# Altium PCB Controller_PVC_v2.PcbDoc (part 1 of 2)
Units mm, origin at the board's own origin, x right, y up, seen from the top; angles counter-clockwise.
Board outline 130.23 x 131.55 mm, 2 copper layers (Top Layer, Bottom Layer); 183 components, 145 nets, 692 pads, 107 vias.
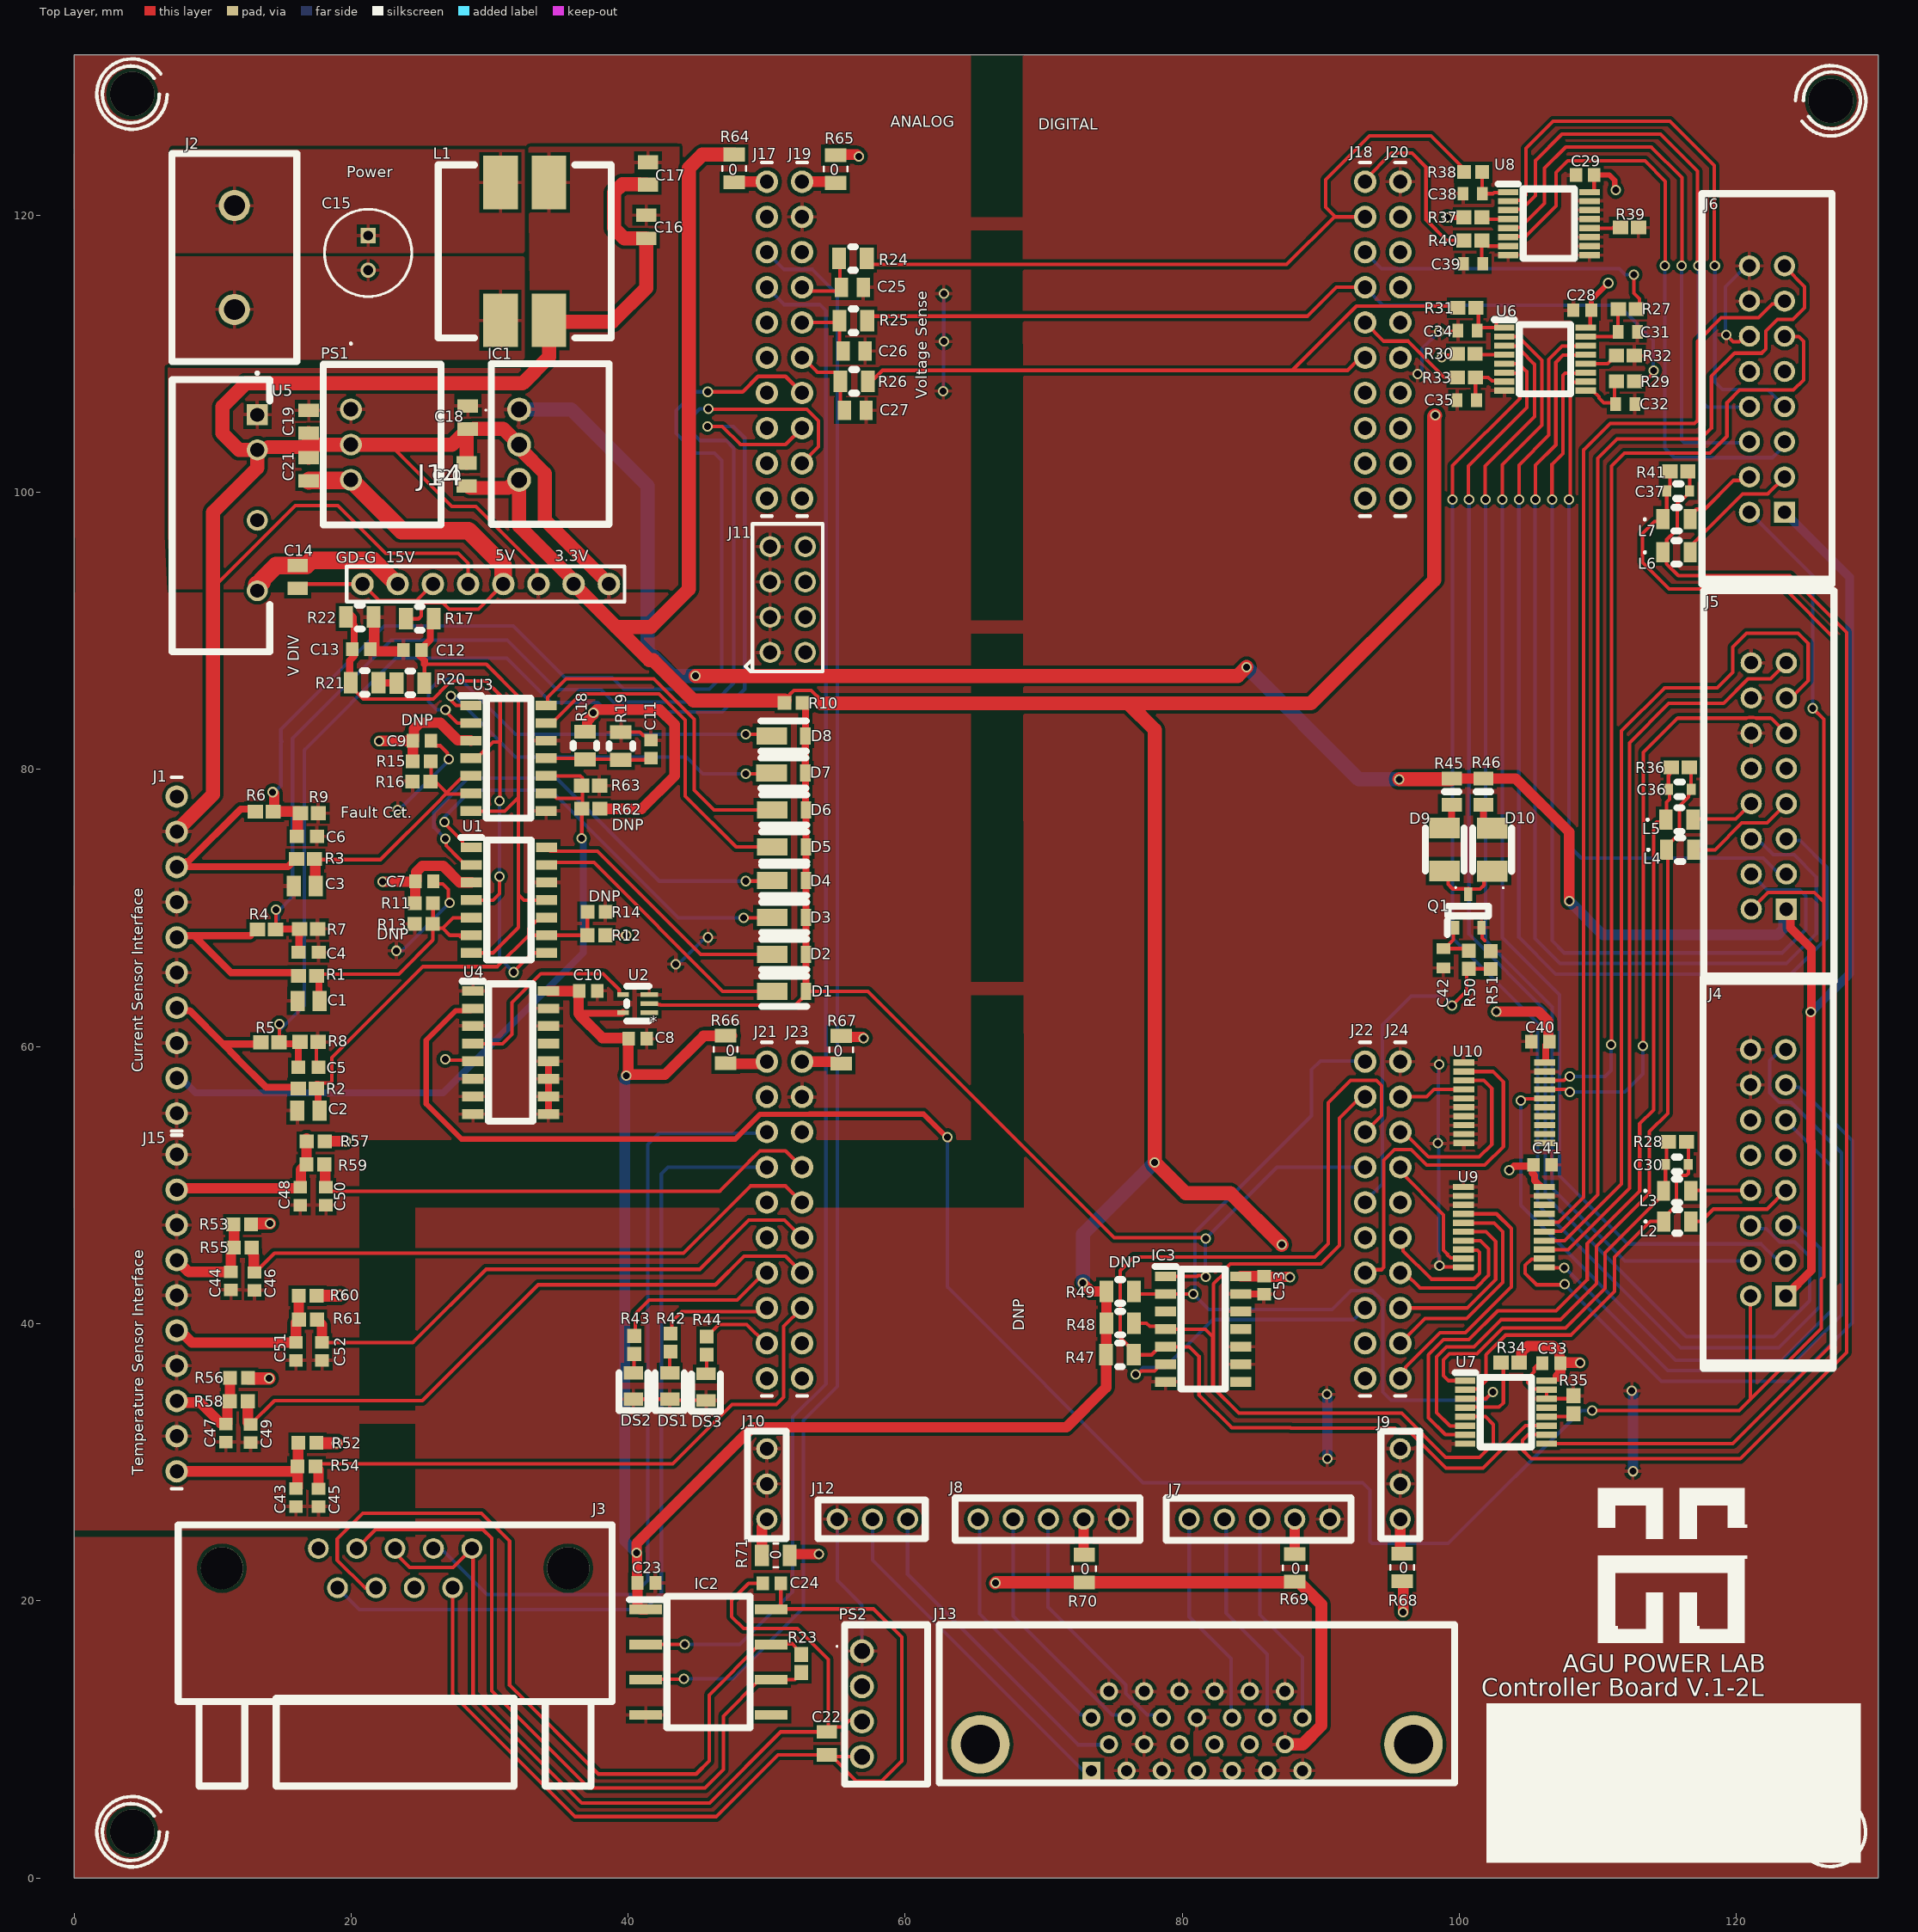
[diagram p0: Top Layer view]
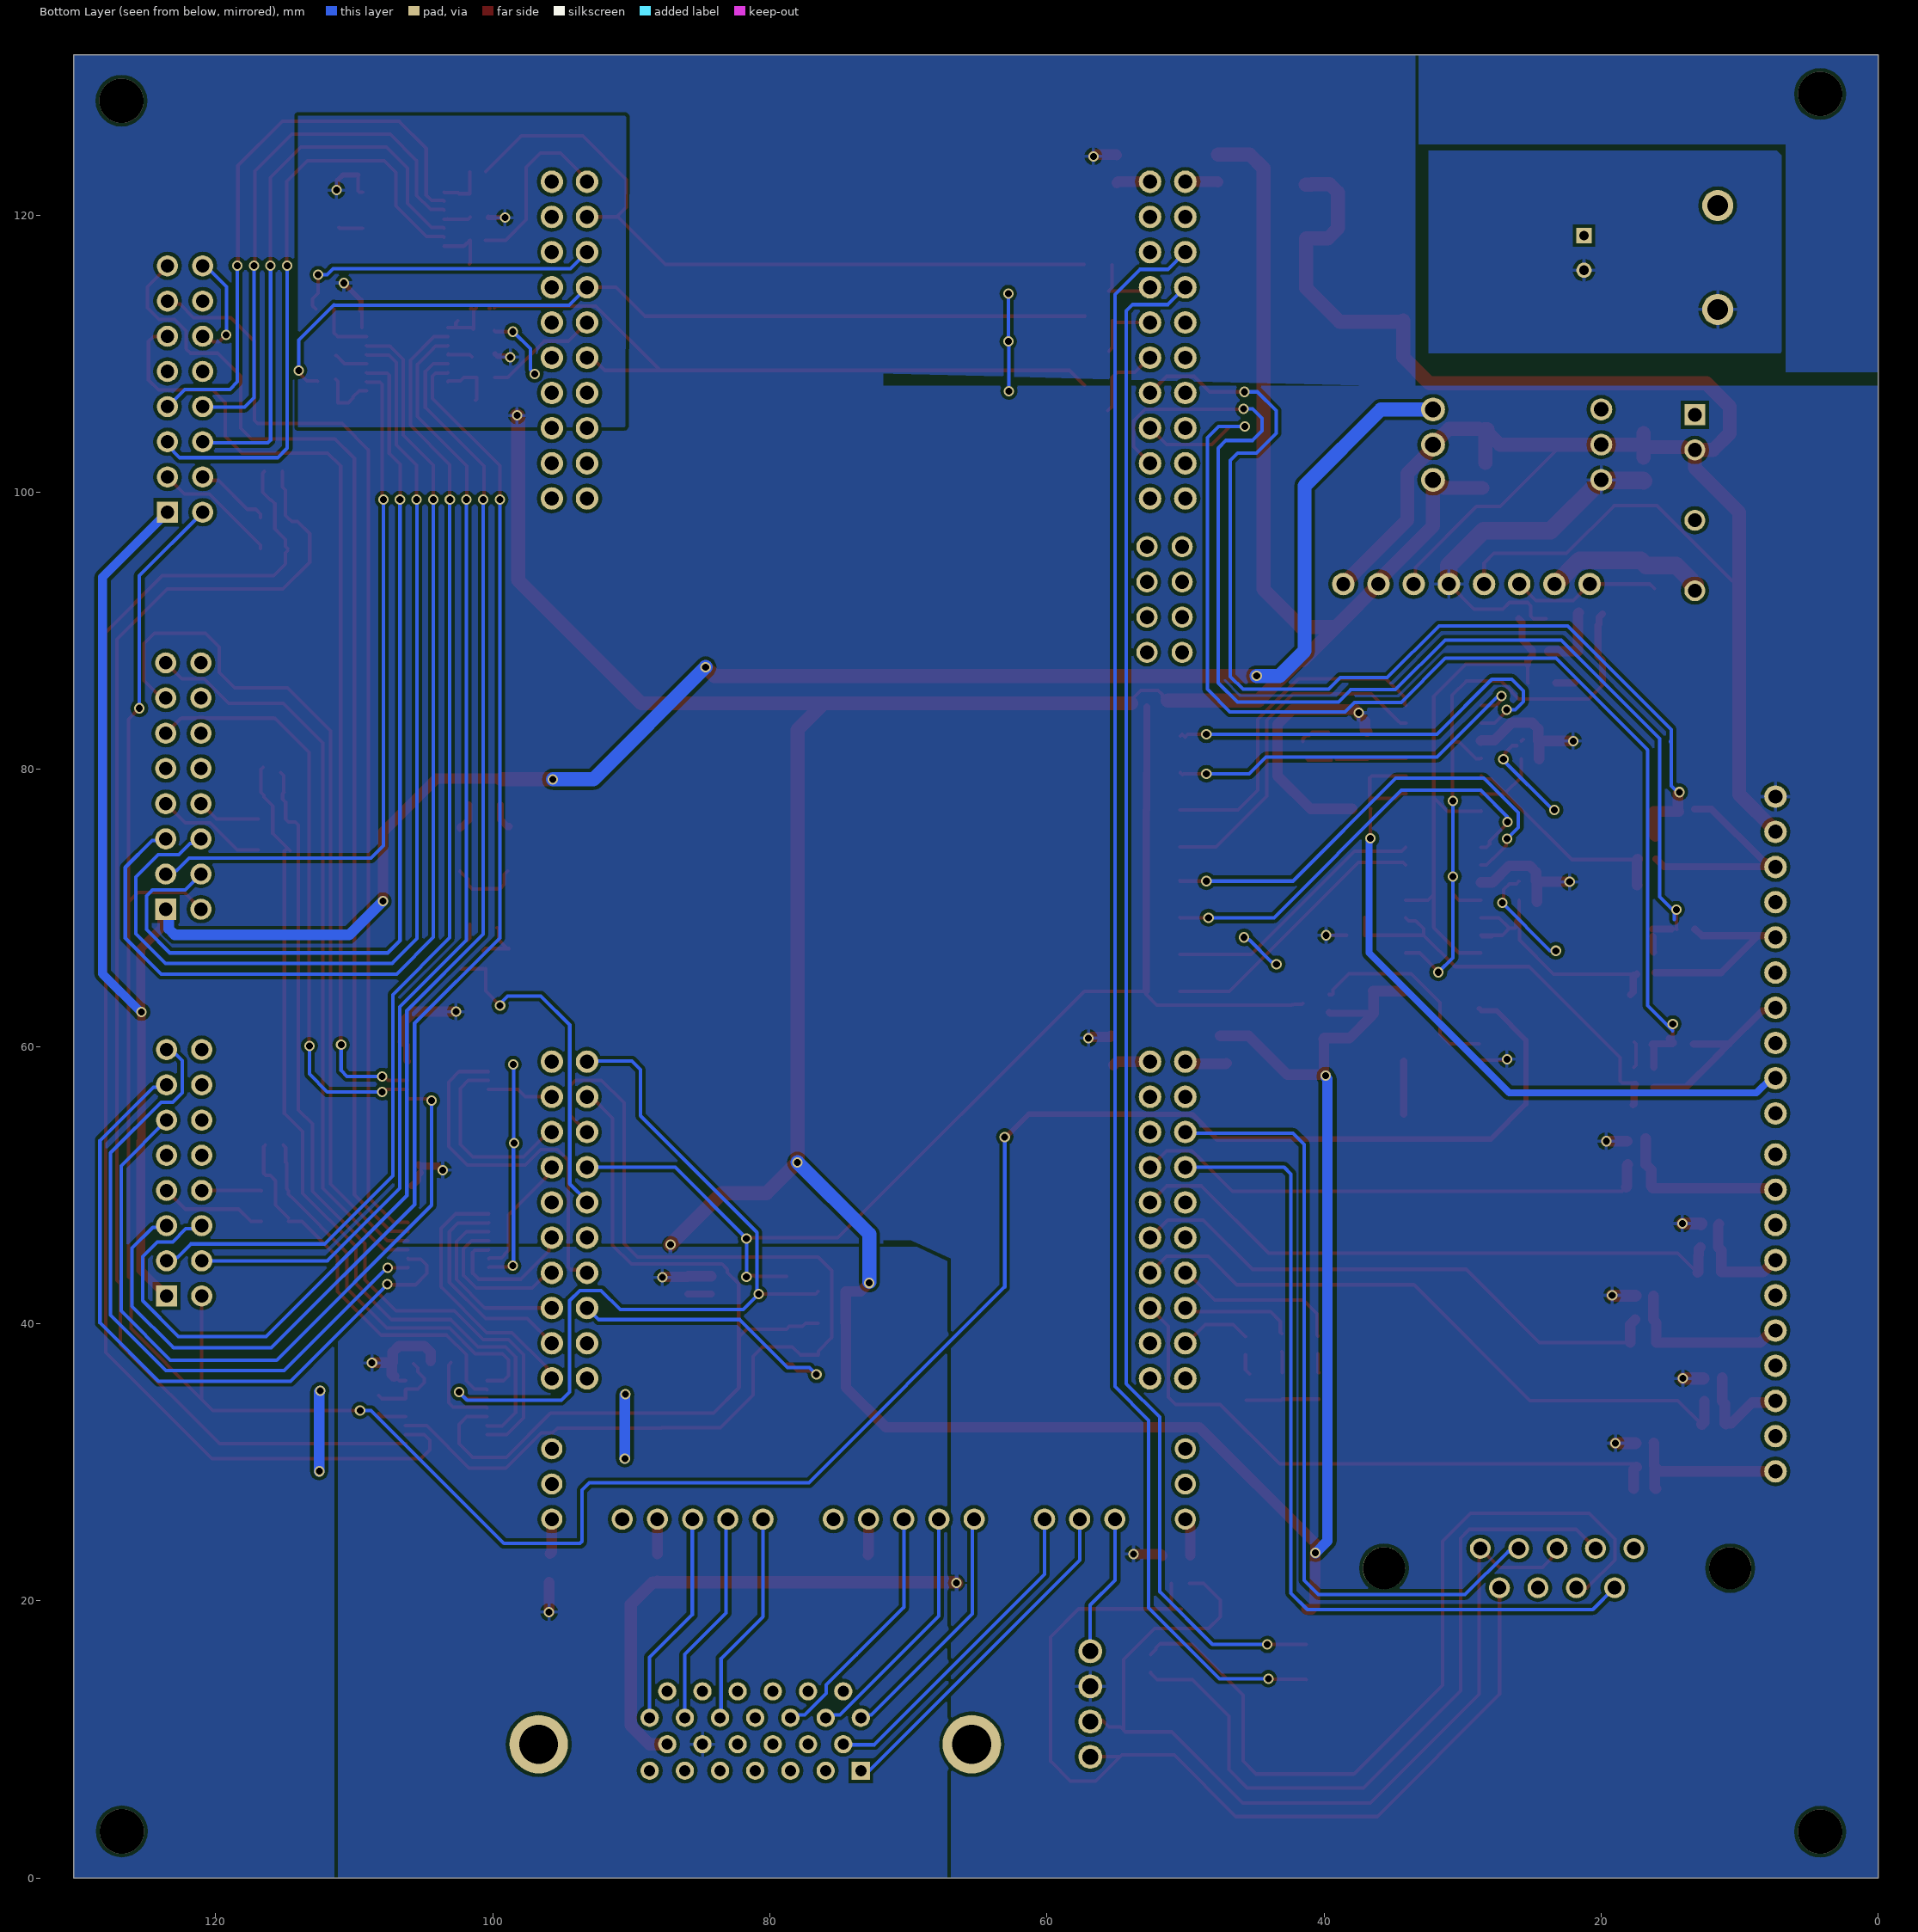
[diagram p1: Bottom Layer view, seen from below]
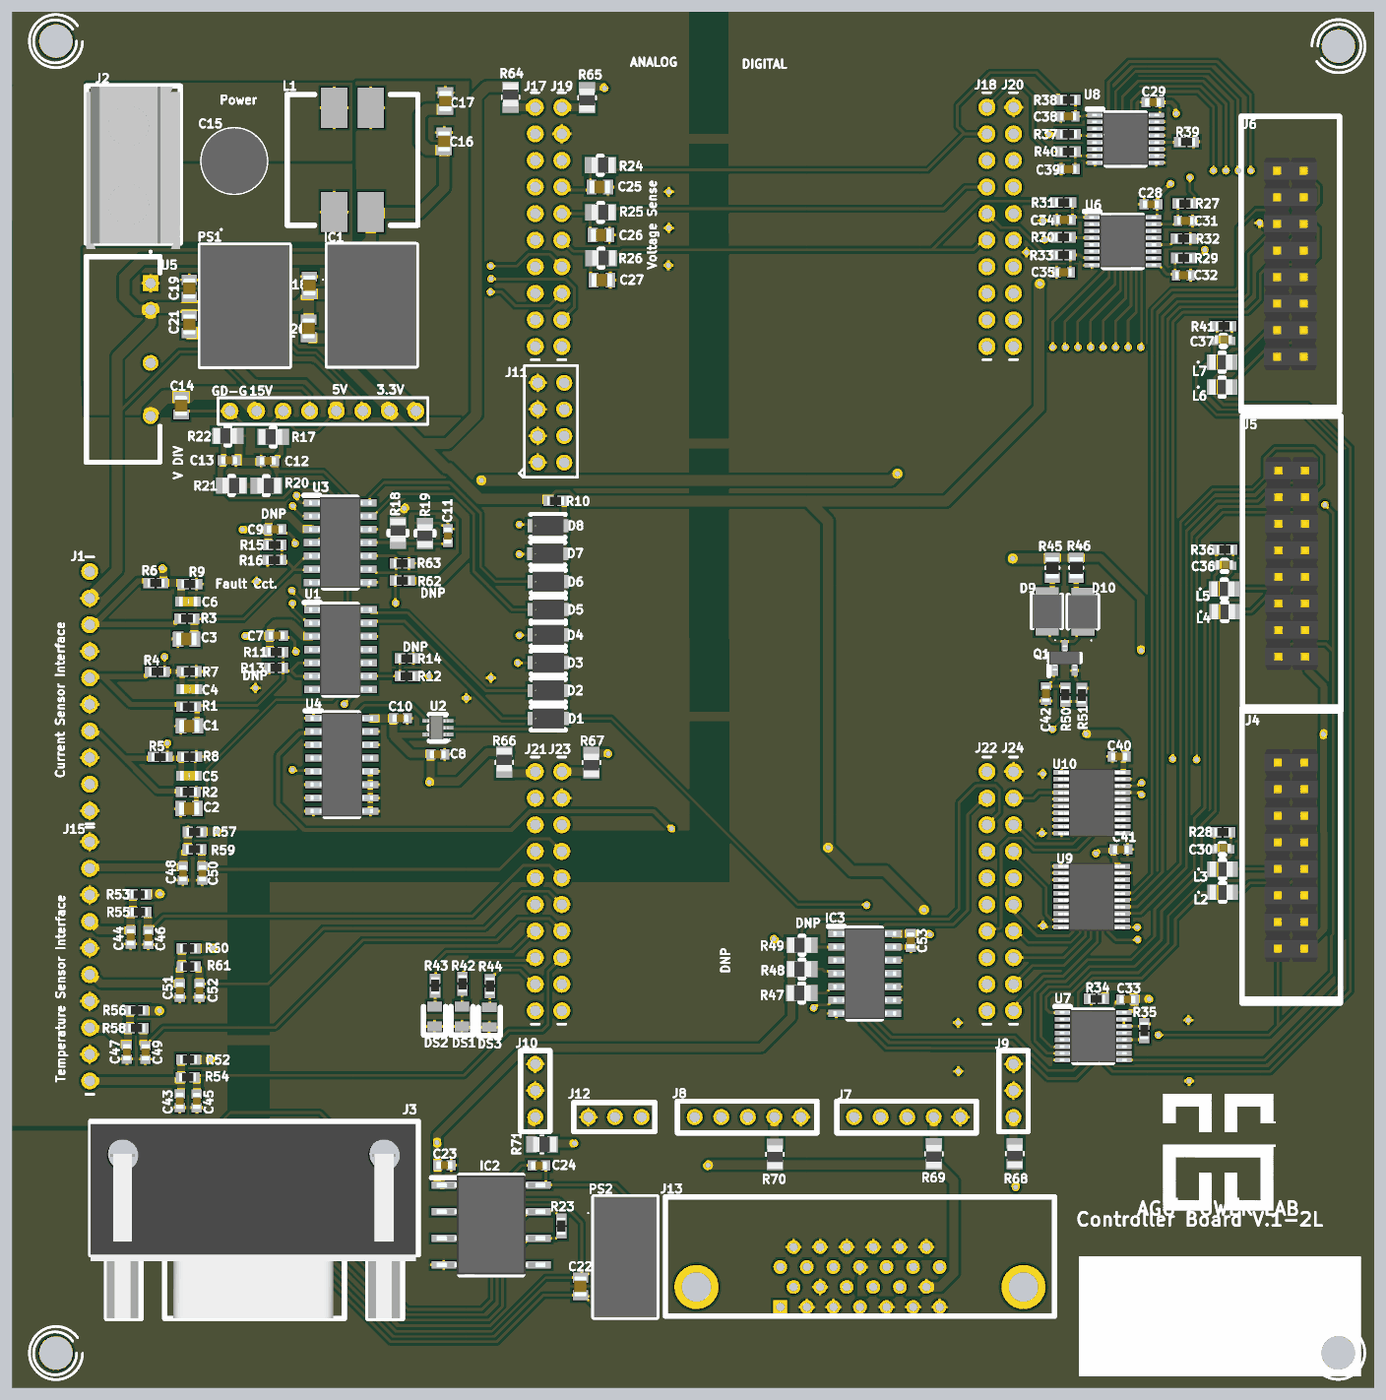
[diagram p3: 3D render of the assembled board from above, using the file's embedded part models]

## Layer stack, top to bottom
Top Solder: solder mask 0.0102, Solder Resist, Dk 3.5
Top Layer: signal copper 0.0356
Dielectric 1: dielectric 0.32, FR-4, Dk 4.8
Bottom Layer: signal copper 0.0356
Bottom Solder: solder mask 0.0102, Solder Resist, Dk 3.5

## Board outline
0,0 130.226,0 130.226,131.547 0,131.547

## Design rules (kind name [scope] priority, off if disabled: settings)
Clearance [All] p1: gap=0.254 ignorepadtopadclearanceinfootprint=TRUE except(0: Arc-Hole Track-Hole SMDPad-Hole THPad-Hole Via-Hole Fill-Hole Poly-Hole Region-Hole Text-Hole)
ComponentClearance [InComponent('No Component')] p1: gap=0.127 collisioncheckmode=3 verticalgap=0.254 showdistances=FALSE
HoleSize [All] p1: absolutevalues=TRUE maxlimit=5.08 minlimit=0.025 maxpercent=80.000 minpercent=20.000
HoleToHoleClearance [All] p1: gap=0 allowstackedmicrovias=TRUE
MinimumSolderMaskSliver [All] p1: minsoldermaskwidth=0.076
NetAntennae [All] p1: netantennaetolerance=0.254
PolygonConnect [All] p1: connectstyle=Relief reliefconductorwidth=0.254 reliefentries=4 polygonreliefangle="90 Angle" airgapwidth=0.254
RoutingVias [All] p1: holewidth=0.004 width=0.762 viastyle="Through Hole" minholewidth=0.004 minwidth=0.508 maxholewidth=0.711 maxwidth=1.27
SilkToSilkClearance [All] p1: silktosilkclearance=0
SilkToSolderMaskClearance [IsPad] p1: minsilkscreentomaskgap=0 clearancetoexposedcopper=TRUE
SolderMaskExpansion [All] p1: expansion=0.102 istentingtop=FALSE
Width [All] p1: maxlimit=2.54 minlimit=0.254 preferedwidth=0.254 minimp=50.000000 maximp=50.000000 favimp=50.000000
23 further rules are at their usual default settings.

## Classes and differential pairs
component class "Voltage Sensor Interface": C25 C26 C27 R24 R25 R26
component class "Temp Sensor Interface": C43 C44 C45 C46 C47 C48 C49 C50 C51 C52 J15 R52 R53 R54 R55 R56 R57 R58 R59 R60 R61
component class PowerSupply: C14 C15 C16 C17 C18 C19 C20 C21 IC1 J2 L1 PS1 U5
component class Launchpad.~(23): C42 C53 D9 D10 DS1 DS2 DS3 IC3 J7 J8 J9 J10 J11 J12 J13 J17 J18 J19 J20 J21 J22 J23 J24 Q1 R42 R43 R44 R45 R46 R47 R48 R49 R50 R51 R64 R65 R66 R67 R68 R69 R70 R71
component class FaultCircuit: C7 C8 C9 C10 C11 C12 C13 D1 D2 D3 D4 D5 D6 D7 D8 R10 R11 R12 R13 R14 R15 R16 R17 R18 R19 R20 R21 R22 R62 R63 U1 U2 U3 U4
component class "Driver Interface.~(23)": C28 C29 C30 C31 C32 C33 C34 C35 C36 C37 C38 C39 C40 C41 J4 J5 J6 L2 L3 L4 L5 L6 L7 R27 R28 R29 R30 R31 R32 R33 R34 R35 R36 R37 R38 R39 R40 R41 U6 U7 U8 U9 U10
component class "Current Sensor Interface": C1 C2 C3 C4 C5 C6 J1 R1 R2 R3 R4 R5 R6 R7 R8 R9
component class CAN: C22 C23 C24 IC2 J3 PS2 R23

## Components (designator, comment, footprint, x,y, rotation, side; value= is the part's Value field where it differs from the comment)
C1 "C0805C333K1RECAUTO" CAPC2012X110N 16.942,63.271 r0 top
C2 "C0805C333K1RECAUTO" CAPC2012X110N 16.916,55.372 r0 top
C3 "C0805C333K1RECAUTO" CAPC2012X110N 16.662,71.577 r0 top
C4 "C0603C103K3RACAUTO" CAPC17595_87N_KEM 16.942,66.802 r180 top
C5 "C0603C103K3RACAUTO" CAPC17595_87N_KEM 16.916,58.496 r180 top
C6 "C0603C103K3RACAUTO" CAPC17595_87N_KEM 16.815,75.159 r180 top
C7 "0.01uF" CAPC1608X95N 25.288,71.907 r0 top
C8 "0.01uF" CAPC1608X95N 40.691,60.554 r180 top
C9 "0.01uF" CAPC1608X95N 25.121,82.067 r0 top
C10 "0.01uF" CAPC1608X95N 37.12,64.008 r180 top
C11 "0.01uF" CAPC1608X95N 41.656,81.458 r270 top
C12 "0.01uF" CAPC1608X95N 24.44,88.613 r0 top
C13 "0.01uF" CAPC1608X95N 20.747,88.664 r180 top
C14 "10uF" CAPC2012X145N 16.154,93.878 r270 top
C15 "47u 50V" CAPPRD250W50D630H1250 21.234,118.516 r270 top
C16 "10uF" CAPC2012X145N 41.3,119.151 r90 top
C17 "0.1u 100V" CAPC2012X110N 41.427,123.001 r90 top
C18 "10uF" CAPC2012X145N 28.423,105.385 r90 top
C19 "10uF" CAPC2012X145N 16.942,105.08 r90 top
C20 "10uF" CAPC2012X145N 28.346,101.27 r270 top
C21 "10uF" CAPC2012X145N 16.942,101.651 r270 top
C22 "10uF" CAPC2012X145N 54.331,9.703 r270 top
C23 "0.1u" CAPC1608X95N 41.326,21.285 r180 top
C24 "0.1u" CAPC1608X95N 50.368,21.26 r180 top
C25 "220nF" CAPC2012X70N 56.182,114.783 r180 top
C26 "220nF" CAPC2012X70N 56.312,110.185 r180 top
C27 "220nF" CAPC2012X70N 56.388,105.893 r180 top
C28 "C0603C104K3RACTU" CAPC1608X95N 108.864,113.132 r0 top
C29 "C0603C104K3RACTU" CAPC1608X95N 109.068,122.885 r0 top
C30 "27pF" CAP_CL10_SAM 115.697,51.486 r0 top
C31 "CL10C101JB8NNNC" CAPC1608X90N 112.152,111.557 r180 top
C32 "CL10C101JB8NNNC" CAPC1608X90N 111.963,106.35 r180 top
C33 "0.1uF" CAPC1608X95N 106.629,37.135 r0 top
C34 "CL10C101JB8NNNC" CAPC1608X90N 100.584,111.658 r0 top
C35 "CL10C101JB8NNNC" CAPC1608X90N 100.533,106.629 r0 top
C36 "27pF" CAP_CL10_SAM 115.9,78.562 r0 top
C37 "27pF" CAP_CL10_SAM 115.788,100.076 r0 top
C38 "CL10C101JB8NNNC" CAPC1608X90N 100.951,121.539 r0 top
C39 "CL10C101JB8NNNC" CAPC1608X90N 100.99,116.484 r0 top
C40 "0.1uF" CAPC1608X95N 105.831,60.35 r0 top
C41 "0.1uF" CAPC1608X95N 105.994,51.46 r180 top
C42 "CL10C101JB8NNNC" CAPC1608X90N 98.831,66.359 r90 top
C43 "0.1uF 50V" CAPC1608X95N 16.027,27.442 r90 top
C44 "0.1uF 50V" CAPC1608X95N 11.328,43.074 r90 top
C45 "0.1uF 50V" CAPC1608X95N 17.653,27.432 r90 top
C46 "0.1uF 50V" CAPC1608X95N 13.03,43.038 r90 top
C47 "0.1uF 50V" CAPC1608X95N 10.973,32.095 r90 top
C48 "0.1uF 50V" CAPC1608X95N 16.332,49.185 r90 top
C49 "0.1uF 50V" CAPC1608X95N 12.751,32.07 r90 top
C50 "0.1uF 50V" CAPC1608X95N 18.186,49.185 r90 top
C51 "0.1uF 50V" CAPC1608X95N 16.027,37.983 r90 top
C52 "0.1uF 50V" CAPC1608X95N 17.907,37.983 r90 top
C53 "0.01uF" CAPC1608X95N 85.903,42.774 r90 top
D1 "DFLR1200" POWERDI123_DIO 51.257,63.983 r0 top
D2 "DFLR1200" POWERDI123_DIO 51.257,66.65 r0 top
D3 "DFLR1200" POWERDI123_DIO 51.257,69.317 r0 top
D4 "DFLR1200" POWERDI123_DIO 51.257,71.984 r0 top
D5 "DFLR1200" POWERDI123_DIO 51.257,74.397 r0 top
D6 "DFLR1200" POWERDI123_DIO 51.257,77.064 r0 top
D7 "DFLR1200" POWERDI123_DIO 51.206,79.731 r0 top
D8 "DFLR1200" POWERDI123_DIO 51.219,82.398 r0 top
D9 "AA3528VRVFS_A" AA3528VRVFSA 98.933,74.219 r90 top
D10 "AA3528VRVFS_A" AA3528VRVFSA 102.362,74.193 r90 top
DS1 "LTST-C171KSKT" LEDC2012X90N 43.002,35.494 r90 top
DS2 "LH_R974-LP-1" LEDC2012X90N 40.386,35.494 r90 top
DS3 "LG_R971-KN-1" LEDC2012X80N 45.618,35.418 r90 top
IC1 "R-78E3.3-1.0" R78E3310 32.131,105.969 r270 top
IC2 "ISO1050DUBR" SOP254P1040X485-8N 45.796,15.57 r0 top
IC3 "74HC21D_BJ_" SOIC127P600X175-14N 81.503,39.599 r0 top
J1 "FH2543-10GT10" PCBComponent_1#1 7.417,78.029 r180 top value="2.54mm 1x10"
J2 "282844-2" 2828442 11.582,120.682 r270 top
J3 "A-DS-09-A/KG-T2S" "CONN_A-DS 09 A/KG-T2S_ASM" 23.178,12.85 r180 top
J4 "1761606-6" con16_2X8_S4_TEC 123.546,41.986 r90 top
J5 "1761606-6" con16_2X8_S4_TEC 123.596,69.901 r90 top
J6 "1761606-6" con16_2X8_S4_TEC 123.469,98.552 r90 top
J7 "5POS_CONN" PCBComponent_1#2 80.493,25.883 r90 top
J8 "5POS_CONN" PCBComponent_1#2 65.253,25.883 r90 top
J9 "3POS_2.54mm_CONN" PCBComponent_1#3 95.733,30.963 r270 top
J10 "3POS_2.54mm_CONN" PCBComponent_1#3 50.013,30.963 r270 top
J11 "8POS2ROW_CONN" PCBComponent_1#4 50.241,88.443 r0 top
J12 "3POS_2.54mm_CONN" PCBComponent_1#3 60.173,25.883 r180 top
J13 "10226-55G3PC" 1022655G3PC 73.431,7.732 r180 top
J14 "8POS CONN" "8POS CONN" 30.988,93.37 r90 top
J15 "FH2543-10GT10" PCBComponent_1#1 7.417,52.197 r180 top value="2.54mm 1x10"
J17 "FH2543-10GT10" PCBComponent_1#1 50.013,122.403 r180 top value="2.54mm 1x10"
J18 "FH2543-10GT10" PCBComponent_1#1 93.193,122.403 r180 top value="2.54mm 1x10"
J19 "FH2543-10GT10" PCBComponent_1#1 52.553,122.403 r180 top value="2.54mm 1x10"
J20 "FH2543-10GT10" PCBComponent_1#1 95.733,122.403 r180 top value="2.54mm 1x10"
J21 "FH2543-10GT10" PCBComponent_1#1 50.013,58.903 r180 top value="2.54mm 1x10"
J22 "FH2543-10GT10" PCBComponent_1#1 93.193,58.903 r180 top value="2.54mm 1x10"
J23 "FH2543-10GT10" PCBComponent_1#1 52.553,58.903 r180 top value="2.54mm 1x10"
J24 "FH2543-10GT10" PCBComponent_1#1 95.733,58.903 r180 top value="2.54mm 1x10"
L1 "744282010" WE-SCC_1260/121070 32.537,117.373 r0 top
L2 "1uH" IND_2012_TDK 115.722,47.371 r0 top
L3 "MLZ2012N1R0LT000" IND_2012_TDK 115.71,49.581 r0 top
L4 "1uH" IND_2012_TDK 115.926,74.193 r0 top
L5 "MLZ2012N1R0LT000" IND_2012_TDK 115.875,76.362 r0 top
L6 "1uH" IND_2012_TDK 115.672,95.656 r0 top
L7 "MLZ2012N1R0LT000" IND_2012_TDK 115.672,98.044 r0 top
PS1 "R-78E5.0-1.0" R78E5010 19.99,105.969 r270 top
PS2 "RFM-0505S" RFM0505S 56.871,16.358 r270 top
Q1 "BSS138L" SOT96P237X111-3N 100.635,69.774 r90 top
R1 "CRG0603F1K0" RESC1608X55N#1 16.866,65.1 r0 top
R2 "CRG0603F1K0" RESC1608X55N#1 16.84,56.972 r0 top
R3 "CRG0603F1K0" RESC1608X55N#1 16.713,73.533 r0 top
R4 "RMCF0603FT4K99" RESC1608X55N#1 13.894,68.453 r0 top
R5 "RMCF0603FT4K99" RESC1608X55N#1 14.148,60.3 r0 top
R6 "RMCF0603FT4K99" RESC1608X55N#1 13.735,76.942 r0 top
R7 "RMCF0603FT7K50" RESC1608X55N#1 16.942,68.478 r180 top
R8 "RMCF0603FT7K50" RESC1608X55N#1 16.967,60.325 r180 top
R9 "RMCF0603FT7K50" RESC1608X55N#1 16.993,76.835 r180 top
R10 "2k" RESC1608X55N#2 51.943,84.785 r0 top
R11 "2k" RESC1608X55N#2 25.248,70.333 r180 top
R12 "2k" RESC1608X55N#2 37.709,68.021 r0 top
R13 "2k" RESC1608X55N#2 25.237,68.834 r180 top
R14 "2k" RESC1608X55N#2 37.719,69.723 r0 top
R15 "2k" RESC1608X55N#2 25.095,80.569 r180 top
R16 "2k" RESC1608X55N#2 25.085,79.121 r180 top
R17 "1.24K ohm 0805" RES0805_RN73_TYCO_TYC 24.962,90.881 r0 top
R18 "1.24K ohm 0805" RES0805_RN73_TYCO_TYC 36.881,81.712 r270 top
R19 "1.24K ohm 0805" RES0805_RN73_TYCO_TYC 39.472,81.68 r90 top
R20 "1.24K" RES0805_RN73_TYCO_TYC 24.282,86.233 r180 top
R21 "1.24K" RES0805_RN73_TYCO_TYC 20.98,86.258 r180 top